# KiCad board demomatrix.kicad_pcb (continued)
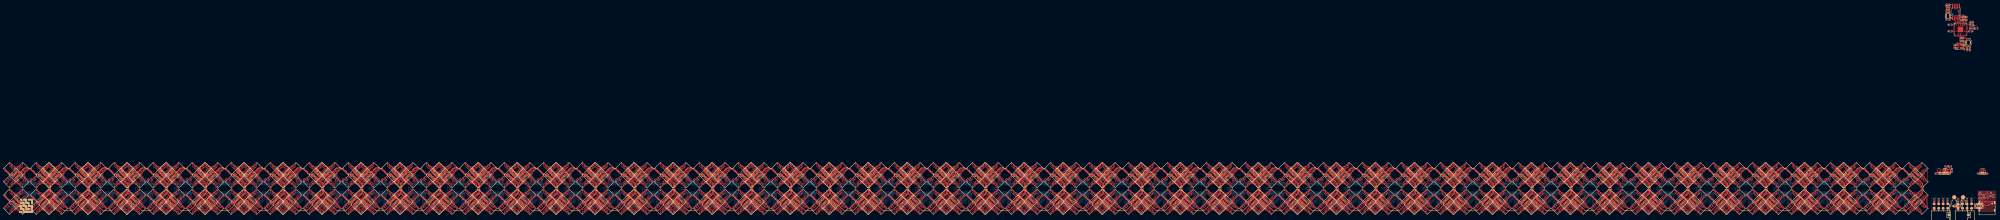
[diagram p0: board, top side]
## Routing (per net, layer and track width the routed paths; a pad name or vN(x,y) marks a point on that pad's centre or on a via; arc(x,y) is an arc through that point) (continued)
rgbs[3]-cathodes-cathode-110: length 7.9
  Top w0.2: v1(-935.98,4) -936.72,4.74 LED256.7
  Bottom w0.2: v1(-935.98,4) -936.8,4.82 U76.13
rgbs[3]-cathodes-cathode-111: length 8.7
  Top w0.2: LED256.5 -936.9,3.25 v1(-936.9,3.1)
  Bottom w0.2: U76.14 -937.43,3.64 v1(-936.9,3.1)
rgbs[3]-cathodes-cathode-112: length 17.9
  Top w0.2: LED260.1 -930.85,15.8 v1(-930.77,15.8)
  Bottom w0.2: v1(-930.77,15.8) -930.65,15.8 ; -930.65,15.8 -930.58,15.87 ; -930.65,15.8 -930.13,16.32 -930.13,16.32 -929.78,16.67 -929.78,16.68 -929.37,17.08 -929.14,17.31 -928.79,17.66 -928.79,17.67 -928.77,17.69 -928.46,17.69 -928.37,17.69 -928.03,17.69 -925.83,19.89 -922.04,19.89 -919.24,17.09 -919.24,16.89 U81.5
rgbs[3]-cathodes-cathode-113: length 9.4
  Top w0.2: v1(-915.72,2.28) -916.41,2.97 LED272.3
  Bottom w0.2: U81.15 -916.07,2.63 v1(-915.72,2.28)
rgbs[3]-cathodes-cathode-114: length 10.7
  Top w0.2: v1(-916.36,1.27) -917.26,2.17 LED272.1
  Bottom w0.2: v1(-916.36,1.27) -916.7,1.61 U81.16
rgbs[3]-cathodes-cathode-115: length 21.3
  Top w0.2: v1(-931.23,1.21) -931.25,1.21 LED268.1
  Bottom w0.2: v1(-931.23,1.21) -929.54,1.21 -927.86,2.89 -921.39,2.89 -917.37,6.91 -917.37,9.65 -917.27,9.75 -917.27,10.46 U81.17
rgbs[3]-cathodes-cathode-116: length 19.3
  Top w0.2: LED268.3 -930.51,2.17 v1(-930.44,2.17)
  Bottom w0.2: v1(-930.44,2.17) -929.15,2.17 -928.02,3.29 -921.56,3.29 -917.97,6.88 U81.18
rgbs[3]-cathodes-cathode-117: length 17.6
  Top w0.2: v1(-929.6,2.94) -929.6,2.96 LED268.5
  Bottom w0.2: v1(-929.6,2.94) -928.94,2.94 -928.19,3.69 -921.72,3.69 -918.61,6.81 U81.19
rgbs[3]-cathodes-cathode-118: length 15.2
  Top w0.2: -929.43,4.48 -928.95,4 v1(-928.89,4)
  Bottom w0.2: v1(-928.89,4) -928.8,4.09 -921.89,4.09 -919.24,6.74 U81.20
rgbs[3]-cathodes-cathode-119: length 17.3
  Top w0.2: LED260.3 -930.38,17.03 v1(-930.38,16.92)
  Bottom w0.2: U81.6 -918.61,17.02 -921.88,20.29 -926,20.29 -928.2,18.09 -928.62,18.09 -928.62,18.09 -928.93,18.09 -929.19,17.83 -929.19,17.83 -929.54,17.48 -929.92,17.09 -930.21,17.09 v1(-930.38,16.92)
rgbs[3]-cathodes-cathode-120: length 16.9
  Top w0.2: v1(-929.79,18.08) -929.79,18.14 LED260.5
  Bottom w0.2: U81.7 -917.97,16.95 -921.71,20.69 -926.16,20.69 -928.37,18.49 -928.79,18.49 -929.1,18.49 -929.65,17.94 v1(-929.79,18.08)
rgbs[3]-cathodes-cathode-121: length 16.1
  Top w0.2: v1(-929.04,19.09) -929.04,19.09 -929.43,19.48
  Bottom w0.2: U81.8 -917.34,16.89 -921.55,21.09 -926.33,21.09 -928.53,18.89 -928.84,18.89 v1(-929.04,19.09)
rgbs[3]-cathodes-cathode-122: length 4.1
  Top w0.2: v1(-917.81,18.21) -917.26,17.66 LED264.1
  Bottom w0.2: v1(-917.81,18.21) -916.7,17.1 U81.9
rgbs[3]-cathodes-cathode-123: length 4.5
  Top w0.2: v1(-917.2,18.72) -917.07,18.72 LED264.3
  Bottom w0.2: v1(-917.2,18.72) -916.07,17.59 U81.10
rgbs[3]-cathodes-cathode-124: length 3.2
  Top w0.2: v1(-915.42,17.52) -915.42,18.78 LED264.5
  Bottom w0.2: v1(-915.42,17.52) -915.43,17.51 U81.11
rgbs[3]-cathodes-cathode-125: length 3.7
  Top w0.2: v1(-914.79,18.01) -914.53,18.27 -914.53,19.33
  Bottom w0.2: v1(-914.79,18.01) -914.8,18 U81.12
rgbs[3]-cathodes-cathode-126: length 7.9
  Top w0.2: LED272.7 -914.72,4.74 v1(-913.98,4)
  Bottom w0.2: v1(-913.98,4) -914.8,4.82 U81.13
rgbs[3]-cathodes-cathode-127: length 8.7
  Top w0.2: v1(-914.9,3.1) -914.9,3.25 LED272.5
  Bottom w0.2: U81.14 -915.43,3.64 v1(-914.9,3.1)
rgbs[3]-cathodes-cathode-128: length 17.9
  Top w0.2: v1(-908.77,15.8) -908.85,15.8 LED276.1
  Bottom w0.2: U86.5 -897.24,16.89 -897.24,17.09 -900.04,19.89 -903.83,19.89 -906.03,17.69 -906.46,17.69 -906.77,17.69 -906.79,17.67 -906.79,17.66 -907.37,17.08 -907.52,16.93 -907.78,16.68 -907.78,16.67 -908.13,16.32 -908.13,16.32 -908.65,15.8 ; -908.58,15.87 -908.65,15.8 ; -908.65,15.8 v1(-908.77,15.8)
rgbs[3]-cathodes-cathode-129: length 9.4
  Top w0.2: v1(-893.72,2.28) -894.41,2.97 LED288.3
  Bottom w0.2: v1(-893.72,2.28) -894.07,2.63 U86.15
rgbs[3]-cathodes-cathode-130: length 10.7
  Top w0.2: v1(-894.36,1.27) -895.26,2.17 LED288.1
  Bottom w0.2: U86.16 -894.7,1.61 v1(-894.36,1.27)
rgbs[3]-cathodes-cathode-131: length 21.3
  Top w0.2: LED284.1 -909.25,1.21 v1(-909.23,1.21)
  Bottom w0.2: v1(-909.23,1.21) -907.54,1.21 -905.86,2.89 -899.39,2.89 -895.37,6.91 -895.37,9.65 -895.27,9.75 -895.27,10.46 U86.17
rgbs[3]-cathodes-cathode-132: length 19.3
  Top w0.2: LED284.3 -908.51,2.17 v1(-908.44,2.17)
  Bottom w0.2: U86.18 -895.97,6.88 -899.56,3.29 -906.02,3.29 -907.15,2.17 v1(-908.44,2.17)
rgbs[3]-cathodes-cathode-133: length 17.6
  Top w0.2: v1(-907.6,2.94) -907.6,2.96 LED284.5
  Bottom w0.2: U86.19 -896.61,6.81 -899.72,3.69 -906.19,3.69 -906.94,2.94 v1(-907.6,2.94)
rgbs[3]-cathodes-cathode-134: length 15.2
  Top w0.2: v1(-906.89,4) -906.95,4 -907.43,4.48
  Bottom w0.2: v1(-906.89,4) -906.8,4.09 -899.89,4.09 -897.24,6.74 U86.20
rgbs[3]-cathodes-cathode-135: length 17.3
  Top w0.2: LED276.3 -908.38,17.03 v1(-908.38,16.92)
  Bottom w0.2: U86.6 -896.61,17.02 -899.88,20.29 -904,20.29 -906.2,18.09 -906.62,18.09 -906.62,18.09 -906.93,18.09 -907.19,17.83 -907.19,17.83 -907.54,17.48 -907.92,17.09 -908.21,17.09 v1(-908.38,16.92)
rgbs[3]-cathodes-cathode-136: length 16.9
  Top w0.2: v1(-907.79,18.08) -907.79,18.14 LED276.5
  Bottom w0.2: U86.7 -895.97,16.95 -899.71,20.69 -904.16,20.69 -906.37,18.49 -906.79,18.49 -907.1,18.49 -907.65,17.94 v1(-907.79,18.08)
rgbs[3]-cathodes-cathode-137: length 16.1
  Top w0.2: v1(-907.04,19.09) -907.04,19.09 -907.43,19.48
  Bottom w0.2: U86.8 -895.34,16.89 -899.55,21.09 -904.33,21.09 -906.53,18.89 -906.84,18.89 v1(-907.04,19.09)
rgbs[3]-cathodes-cathode-138: length 4.1
  Top w0.2: v1(-895.81,18.21) -895.26,17.66 LED280.1
  Bottom w0.2: v1(-895.81,18.21) -894.7,17.1 U86.9
rgbs[3]-cathodes-cathode-139: length 4.5
  Top w0.2: LED280.3 -895.07,18.72 v1(-895.2,18.72)
  Bottom w0.2: U86.10 -894.07,17.59 v1(-895.2,18.72)
rgbs[3]-cathodes-cathode-140: length 3.2
  Top w0.2: LED280.5 -893.42,18.78 v1(-893.42,17.52)
  Bottom w0.2: v1(-893.42,17.52) -893.43,17.51 U86.11
rgbs[3]-cathodes-cathode-141: length 3.7
  Top w0.2: v1(-892.79,18.01) -892.53,18.27 -892.53,19.33
  Bottom w0.2: U86.12 -892.8,18 v1(-892.79,18.01)
rgbs[3]-cathodes-cathode-142: length 7.9
  Top w0.2: LED288.7 -892.72,4.74 v1(-891.98,4)
  Bottom w0.2: v1(-891.98,4) -892.8,4.82 U86.13
rgbs[3]-cathodes-cathode-143: length 8.7
  Top w0.2: v1(-892.9,3.1) -892.9,3.25 LED288.5
  Bottom w0.2: U86.14 -893.43,3.64 v1(-892.9,3.1)
rgbs[3]-cathodes-cathode-144: length 17.9
  Top w0.2: v1(-886.77,15.8) -886.85,15.8 LED292.1
  Bottom w0.2: U91.5 -875.24,16.89 -875.24,17.09 -878.04,19.89 -881.83,19.89 -884.03,17.69 -884.46,17.69 -884.77,17.69 -884.79,17.67 -884.79,17.66 -885.37,17.08 -885.52,16.93 -885.78,16.68 -885.78,16.67 -886.13,16.32 -886.13,16.32 -886.65,15.8 ; -886.58,15.87 -886.65,15.8 ; -886.65,15.8 v1(-886.77,15.8)
rgbs[3]-cathodes-cathode-145: length 9.4
  Top w0.2: LED304.3 -872.41,2.97 v1(-871.72,2.28)
  Bottom w0.2: v1(-871.72,2.28) -872.07,2.63 U91.15
rgbs[3]-cathodes-cathode-146: length 10.7
  Top w0.2: LED304.1 -873.26,2.17 v1(-872.36,1.27)
  Bottom w0.2: U91.16 -872.7,1.61 v1(-872.36,1.27)
rgbs[3]-cathodes-cathode-147: length 21.3
  Top w0.2: v1(-887.23,1.21) -887.25,1.21 LED300.1
  Bottom w0.2: v1(-887.23,1.21) -885.54,1.21 -883.86,2.89 -877.39,2.89 -873.37,6.91 -873.37,9.65 -873.27,9.75 -873.27,10.46 U91.17
rgbs[3]-cathodes-cathode-148: length 19.3
  Top w0.2: v1(-886.44,2.17) -886.51,2.17 LED300.3
  Bottom w0.2: v1(-886.44,2.17) -885.15,2.17 -884.02,3.29 -877.56,3.29 -873.97,6.88 U91.18
rgbs[3]-cathodes-cathode-149: length 17.6
  Top w0.2: LED300.5 -885.6,2.96 v1(-885.6,2.94)
  Bottom w0.2: U91.19 -874.61,6.81 -877.72,3.69 -884.19,3.69 -884.94,2.94 v1(-885.6,2.94)
rgbs[3]-cathodes-cathode-150: length 15.2
  Top w0.2: -885.43,4.48 -884.95,4 v1(-884.89,4)
  Bottom w0.2: v1(-884.89,4) -884.8,4.09 -877.89,4.09 -875.24,6.74 U91.20
rgbs[3]-cathodes-cathode-151: length 17.3
  Top w0.2: LED292.3 -886.38,17.03 v1(-886.38,16.92)
  Bottom w0.2: v1(-886.38,16.92) -886.21,17.09 -885.92,17.09 -885.54,17.48 -885.19,17.83 -885.19,17.83 -884.93,18.09 -884.62,18.09 -884.62,18.09 -884.2,18.09 -882,20.29 -877.88,20.29 -874.61,17.02 U91.6
rgbs[3]-cathodes-cathode-152: length 16.9
  Top w0.2: v1(-885.79,18.08) -885.79,18.14 LED292.5
  Bottom w0.2: U91.7 -873.97,16.95 -877.71,20.69 -882.16,20.69 -884.37,18.49 -884.79,18.49 -885.1,18.49 -885.65,17.94 v1(-885.79,18.08)
rgbs[3]-cathodes-cathode-153: length 16.1
  Top w0.2: -885.43,19.48 -885.04,19.09 v1(-885.04,19.09)
  Bottom w0.2: v1(-885.04,19.09) -884.84,18.89 -884.53,18.89 -882.33,21.09 -877.55,21.09 -873.34,16.89 U91.8
rgbs[3]-cathodes-cathode-154: length 4.1
  Top w0.2: LED296.1 -873.26,17.66 v1(-873.81,18.21)
  Bottom w0.2: v1(-873.81,18.21) -872.7,17.1 U91.9
rgbs[3]-cathodes-cathode-155: length 4.5
  Top w0.2: v1(-873.2,18.72) -873.07,18.72 LED296.3
  Bottom w0.2: v1(-873.2,18.72) -872.07,17.59 U91.10
rgbs[3]-cathodes-cathode-156: length 3.2
  Top w0.2: LED296.5 -871.42,18.78 v1(-871.42,17.52)
  Bottom w0.2: v1(-871.42,17.52) -871.43,17.51 U91.11
rgbs[3]-cathodes-cathode-157: length 3.7
  Top w0.2: v1(-870.79,18.01) -870.53,18.27 -870.53,19.33
  Bottom w0.2: U91.12 -870.8,18 v1(-870.79,18.01)
rgbs[3]-cathodes-cathode-158: length 7.9
  Top w0.2: LED304.7 -870.72,4.74 v1(-869.98,4)
  Bottom w0.2: v1(-869.98,4) -870.8,4.82 U91.13
rgbs[3]-cathodes-cathode-159: length 8.7
  Top w0.2: v1(-870.9,3.1) -870.9,3.25 LED304.5
  Bottom w0.2: v1(-870.9,3.1) -871.43,3.64 U91.14
rgbs[3]-cathodes-cathode-160: length 17.9
  Top w0.2: v1(-864.77,15.8) -864.85,15.8 LED308.1
  Bottom w0.2: v1(-864.77,15.8) -864.65,15.8 ; -864.65,15.8 -864.58,15.87 ; -864.65,15.8 -864.13,16.32 -864.13,16.32 -863.78,16.67 -863.78,16.68 -863.37,17.08 -863.14,17.31 -862.79,17.66 -862.79,17.67 -862.77,17.69 -862.46,17.69 -862.37,17.69 -862.03,17.69 -859.83,19.89 -856.04,19.89 -853.24,17.09 -853.24,16.89 U96.5
rgbs[3]-cathodes-cathode-161: length 9.4
  Top w0.2: v1(-849.72,2.28) -850.41,2.97 LED320.3
  Bottom w0.2: U96.15 -850.07,2.63 v1(-849.72,2.28)
rgbs[3]-cathodes-cathode-162: length 10.7
  Top w0.2: LED320.1 -851.26,2.17 v1(-850.36,1.27)
  Bottom w0.2: v1(-850.36,1.27) -850.7,1.61 U96.16
rgbs[3]-cathodes-cathode-163: length 21.3
  Top w0.2: LED316.1 -865.25,1.21 v1(-865.23,1.21)
  Bottom w0.2: U96.17 -851.27,10.46 -851.27,9.75 -851.37,9.65 -851.37,6.91 -855.39,2.89 -861.86,2.89 -863.54,1.21 v1(-865.23,1.21)
rgbs[3]-cathodes-cathode-164: length 19.3
  Top w0.2: LED316.3 -864.51,2.17 v1(-864.44,2.17)
  Bottom w0.2: v1(-864.44,2.17) -863.15,2.17 -862.02,3.29 -855.56,3.29 -851.97,6.88 U96.18
rgbs[3]-cathodes-cathode-165: length 17.6
  Top w0.2: v1(-863.6,2.94) -863.6,2.96 LED316.5
  Bottom w0.2: U96.19 -852.61,6.81 -855.72,3.69 -862.19,3.69 -862.94,2.94 v1(-863.6,2.94)
rgbs[3]-cathodes-cathode-166: length 15.2
  Top w0.2: -863.43,4.48 -862.95,4 v1(-862.89,4)
  Bottom w0.2: v1(-862.89,4) -862.8,4.09 -855.89,4.09 -853.24,6.74 U96.20
rgbs[3]-cathodes-cathode-167: length 17.3
  Top w0.2: LED308.3 -864.38,17.03 v1(-864.38,16.92)
  Bottom w0.2: v1(-864.38,16.92) -864.21,17.09 -863.92,17.09 -863.54,17.48 -863.19,17.83 -863.19,17.83 -862.93,18.09 -862.62,18.09 -862.62,18.09 -862.2,18.09 -860,20.29 -855.88,20.29 -852.61,17.02 U96.6
rgbs[3]-cathodes-cathode-168: length 16.9
  Top w0.2: LED308.5 -863.79,18.14 v1(-863.79,18.08)
  Bottom w0.2: v1(-863.79,18.08) -863.65,17.94 -863.1,18.49 -862.79,18.49 -862.7,18.49 -862.37,18.49 -860.16,20.69 -855.71,20.69 -851.97,16.95 U96.7
rgbs[3]-cathodes-cathode-169: length 16.1
  Top w0.2: v1(-863.04,19.09) -863.04,19.09 -863.43,19.48
  Bottom w0.2: v1(-863.04,19.09) -862.84,18.89 -862.53,18.89 -860.33,21.09 -855.55,21.09 -851.34,16.89 U96.8
rgbs[3]-cathodes-cathode-170: length 4.1
  Top w0.2: LED312.1 -851.26,17.66 v1(-851.81,18.21)
  Bottom w0.2: v1(-851.81,18.21) -850.7,17.1 U96.9
rgbs[3]-cathodes-cathode-171: length 4.5
  Top w0.2: v1(-851.2,18.72) -851.07,18.72 LED312.3
  Bottom w0.2: U96.10 -850.07,17.59 v1(-851.2,18.72)
rgbs[3]-cathodes-cathode-172: length 3.2
  Top w0.2: v1(-849.42,17.52) -849.42,18.78 LED312.5
  Bottom w0.2: U96.11 -849.43,17.51 v1(-849.42,17.52)
rgbs[3]-cathodes-cathode-173: length 3.7
  Top w0.2: v1(-848.79,18.01) -848.53,18.27 -848.53,19.33
  Bottom w0.2: U96.12 -848.8,18 v1(-848.79,18.01)
rgbs[3]-cathodes-cathode-174: length 7.9
  Top w0.2: v1(-847.98,4) -848.72,4.74 LED320.7
  Bottom w0.2: U96.13 -848.8,4.82 v1(-847.98,4)
rgbs[3]-cathodes-cathode-175: length 8.7
  Top w0.2: LED320.5 -848.9,3.25 v1(-848.9,3.1)
  Bottom w0.2: U96.14 -849.43,3.64 v1(-848.9,3.1)
rgbs[3]-cathodes-cathode-176: length 17.9
  Top w0.2: v1(-842.77,15.8) -842.85,15.8 LED20.1
  Bottom w0.2: -842.58,15.87 -842.65,15.8 ; -842.65,15.8 v1(-842.77,15.8) ; -842.65,15.8 -842.13,16.32 -842.13,16.32 -841.78,16.67 -841.78,16.68 -841.37,17.08 -841.14,17.31 -840.79,17.66 -840.79,17.67 -840.77,17.69 -840.46,17.69 -840.37,17.69 -840.03,17.69 -837.83,19.89 -834.04,19.89 -831.24,17.09 -831.24,16.89 U6.5
rgbs[3]-cathodes-cathode-177: length 9.4
  Top w0.2: LED32.3 -828.41,2.97 v1(-827.72,2.28)
  Bottom w0.2: U6.15 -828.07,2.63 v1(-827.72,2.28)
rgbs[3]-cathodes-cathode-178: length 10.7
  Top w0.2: LED32.1 -829.26,2.17 v1(-828.36,1.27)
  Bottom w0.2: U6.16 -828.7,1.61 v1(-828.36,1.27)
rgbs[3]-cathodes-cathode-179: length 21.3
  Top w0.2: LED28.1 -843.25,1.21 v1(-843.23,1.21)
  Bottom w0.2: v1(-843.23,1.21) -841.54,1.21 -839.86,2.89 -833.39,2.89 -829.37,6.91 -829.37,9.65 -829.27,9.75 -829.27,10.46 U6.17
rgbs[3]-cathodes-cathode-180: length 19.3
  Top w0.2: v1(-842.44,2.17) -842.51,2.17 LED28.3
  Bottom w0.2: U6.18 -829.97,6.88 -833.56,3.29 -840.02,3.29 -841.15,2.17 v1(-842.44,2.17)
rgbs[3]-cathodes-cathode-181: length 17.6
  Top w0.2: LED28.5 -841.6,2.96 v1(-841.6,2.94)
  Bottom w0.2: v1(-841.6,2.94) -840.94,2.94 -840.19,3.69 -833.72,3.69 -830.61,6.81 U6.19
rgbs[3]-cathodes-cathode-182: length 15.2
  Top w0.2: -841.43,4.48 -840.95,4 v1(-840.89,4)
  Bottom w0.2: v1(-840.89,4) -840.8,4.09 -833.89,4.09 -831.24,6.74 U6.20
rgbs[3]-cathodes-cathode-183: length 17.3
  Top w0.2: LED20.3 -842.38,17.03 v1(-842.38,16.92)
  Bottom w0.2: U6.6 -830.61,17.02 -833.88,20.29 -838,20.29 -840.2,18.09 -840.62,18.09 -840.62,18.09 -840.93,18.09 -841.19,17.83 -841.19,17.83 -841.54,17.48 -841.92,17.09 -842.21,17.09 v1(-842.38,16.92)
rgbs[3]-cathodes-cathode-184: length 16.9
  Top w0.2: v1(-841.79,18.08) -841.79,18.14 LED20.5
  Bottom w0.2: v1(-841.79,18.08) -841.65,17.94 -841.1,18.49 -840.79,18.49 -840.7,18.49 -840.37,18.49 -838.16,20.69 -833.71,20.69 -829.97,16.95 U6.7
rgbs[3]-cathodes-cathode-185: length 16.1
  Top w0.2: v1(-841.04,19.09) -841.04,19.09 -841.43,19.48
  Bottom w0.2: U6.8 -829.34,16.89 -833.55,21.09 -838.33,21.09 -840.53,18.89 -840.84,18.89 v1(-841.04,19.09)
rgbs[3]-cathodes-cathode-186: length 4.1
  Top w0.2: LED24.1 -829.26,17.66 v1(-829.81,18.21)
  Bottom w0.2: v1(-829.81,18.21) -828.7,17.1 U6.9
rgbs[3]-cathodes-cathode-187: length 4.5
  Top w0.2: LED24.3 -829.07,18.72 v1(-829.2,18.72)
  Bottom w0.2: v1(-829.2,18.72) -828.07,17.59 U6.10
rgbs[3]-cathodes-cathode-188: length 3.2
  Top w0.2: v1(-827.42,17.52) -827.42,18.78 LED24.5
  Bottom w0.2: v1(-827.42,17.52) -827.43,17.51 U6.11
rgbs[3]-cathodes-cathode-189: length 3.7
  Top w0.2: -826.53,19.33 -826.53,18.27 v1(-826.79,18.01)
  Bottom w0.2: U6.12 -826.8,18 v1(-826.79,18.01)
rgbs[3]-cathodes-cathode-190: length 7.9
  Top w0.2: v1(-825.98,4) -826.72,4.74 LED32.7
  Bottom w0.2: U6.13 -826.8,4.82 v1(-825.98,4)
rgbs[3]-cathodes-cathode-191: length 8.7
  Top w0.2: v1(-826.9,3.1) -826.9,3.25 LED32.5
  Bottom w0.2: v1(-826.9,3.1) -827.43,3.64 U6.14
rgbs[3]-cathodes-cathode-192: length 17.9
  Top w0.2: v1(-820.77,15.8) -820.85,15.8 LED324.1
  Bottom w0.2: U101.5 -809.24,16.89 -809.24,17.09 -812.04,19.89 -815.83,19.89 -818.03,17.69 -818.46,17.69 -818.77,17.69 -818.79,17.67 -818.79,17.66 -819.37,17.08 -819.52,16.93 -819.78,16.68 -819.78,16.67 -820.13,16.32 -820.13,16.32 -820.65,15.8 ; -820.58,15.87 -820.65,15.8 ; -820.65,15.8 v1(-820.77,15.8)
rgbs[3]-cathodes-cathode-193: length 9.4
  Top w0.2: LED336.3 -806.41,2.97 v1(-805.72,2.28)
  Bottom w0.2: U101.15 -806.07,2.63 v1(-805.72,2.28)
rgbs[3]-cathodes-cathode-194: length 10.7
  Top w0.2: LED336.1 -807.26,2.17 v1(-806.36,1.27)
  Bottom w0.2: U101.16 -806.7,1.61 v1(-806.36,1.27)
rgbs[3]-cathodes-cathode-195: length 21.3
  Top w0.2: LED332.1 -821.25,1.21 v1(-821.23,1.21)
  Bottom w0.2: v1(-821.23,1.21) -819.54,1.21 -817.86,2.89 -811.39,2.89 -807.37,6.91 -807.37,9.65 -807.27,9.75 -807.27,10.46 U101.17
rgbs[3]-cathodes-cathode-196: length 19.3
  Top w0.2: v1(-820.44,2.17) -820.51,2.17 LED332.3
  Bottom w0.2: v1(-820.44,2.17) -819.15,2.17 -818.02,3.29 -811.56,3.29 -807.97,6.88 U101.18
rgbs[3]-cathodes-cathode-197: length 17.6
  Top w0.2: v1(-819.6,2.94) -819.6,2.96 LED332.5
  Bottom w0.2: U101.19 -808.61,6.81 -811.72,3.69 -818.19,3.69 -818.94,2.94 v1(-819.6,2.94)
rgbs[3]-cathodes-cathode-198: length 15.2
  Top w0.2: v1(-818.89,4) -818.95,4 -819.43,4.48
  Bottom w0.2: U101.20 -809.24,6.74 -811.89,4.09 -818.8,4.09 v1(-818.89,4)
rgbs[3]-cathodes-cathode-199: length 17.3
  Top w0.2: v1(-820.38,16.92) -820.38,17.03 LED324.3
  Bottom w0.2: v1(-820.38,16.92) -820.21,17.09 -819.92,17.09 -819.54,17.48 -819.19,17.83 -819.19,17.83 -818.93,18.09 -818.62,18.09 -818.62,18.09 -818.2,18.09 -816,20.29 -811.88,20.29 -808.61,17.02 U101.6
rgbs[3]-cathodes-cathode-200: length 16.9
  Top w0.2: LED324.5 -819.79,18.14 v1(-819.79,18.08)
  Bottom w0.2: U101.7 -807.97,16.95 -811.71,20.69 -816.16,20.69 -818.37,18.49 -818.79,18.49 -819.1,18.49 -819.65,17.94 v1(-819.79,18.08)
rgbs[3]-cathodes-cathode-201: length 16.1
  Top w0.2: -819.43,19.48 -819.04,19.09 v1(-819.04,19.09)
  Bottom w0.2: v1(-819.04,19.09) -818.84,18.89 -818.53,18.89 -816.33,21.09 -811.55,21.09 -807.34,16.89 U101.8
rgbs[3]-cathodes-cathode-202: length 4.1
  Top w0.2: LED328.1 -807.26,17.66 v1(-807.81,18.21)
  Bottom w0.2: U101.9 -806.7,17.1 v1(-807.81,18.21)
rgbs[3]-cathodes-cathode-203: length 4.5
  Top w0.2: v1(-807.2,18.72) -807.07,18.72 LED328.3
  Bottom w0.2: U101.10 -806.07,17.59 v1(-807.2,18.72)
rgbs[3]-cathodes-cathode-204: length 3.2
  Top w0.2: LED328.5 -805.42,18.78 v1(-805.42,17.52)
  Bottom w0.2: U101.11 -805.43,17.51 v1(-805.42,17.52)
rgbs[3]-cathodes-cathode-205: length 3.7
  Top w0.2: -804.53,19.33 -804.53,18.27 v1(-804.79,18.01)
  Bottom w0.2: v1(-804.79,18.01) -804.8,18 U101.12
rgbs[3]-cathodes-cathode-206: length 7.9
  Top w0.2: v1(-803.98,4) -804.72,4.74 LED336.7
  Bottom w0.2: U101.13 -804.8,4.82 v1(-803.98,4)
rgbs[3]-cathodes-cathode-207: length 8.7
  Top w0.2: LED336.5 -804.9,3.25 v1(-804.9,3.1)
  Bottom w0.2: U101.14 -805.43,3.64 v1(-804.9,3.1)
rgbs[3]-cathodes-cathode-208: length 17.9
  Top w0.2: LED340.1 -798.85,15.8 v1(-798.77,15.8)
  Bottom w0.2: -798.58,15.87 -798.65,15.8 ; -798.65,15.8 -798.13,16.32 -798.13,16.32 -797.78,16.67 -797.78,16.68 -797.37,17.08 -797.14,17.31 -796.79,17.66 -796.79,17.67 -796.77,17.69 -796.46,17.69 -796.37,17.69 -796.03,17.69 -793.83,19.89 -790.04,19.89 -787.24,17.09 -787.24,16.89 U106.5 ; -798.65,15.8 v1(-798.77,15.8)
rgbs[3]-cathodes-cathode-209: length 9.4
  Top w0.2: v1(-783.72,2.28) -784.41,2.97 LED352.3
  Bottom w0.2: U106.15 -784.07,2.63 v1(-783.72,2.28)
rgbs[3]-cathodes-cathode-210: length 10.7
  Top w0.2: v1(-784.36,1.27) -785.26,2.17 LED352.1
  Bottom w0.2: U106.16 -784.7,1.61 v1(-784.36,1.27)
rgbs[3]-cathodes-cathode-211: length 21.3
  Top w0.2: v1(-799.23,1.21) -799.25,1.21 LED348.1
  Bottom w0.2: U106.17 -785.27,10.46 -785.27,9.75 -785.37,9.65 -785.37,6.91 -789.39,2.89 -795.86,2.89 -797.54,1.21 v1(-799.23,1.21)
rgbs[3]-cathodes-cathode-212: length 19.3
  Top w0.2: v1(-798.44,2.17) -798.51,2.17 LED348.3
  Bottom w0.2: v1(-798.44,2.17) -797.15,2.17 -796.02,3.29 -789.56,3.29 -785.97,6.88 U106.18
rgbs[3]-cathodes-cathode-213: length 17.6
  Top w0.2: LED348.5 -797.6,2.96 v1(-797.6,2.94)
  Bottom w0.2: v1(-797.6,2.94) -796.94,2.94 -796.19,3.69 -789.72,3.69 -786.61,6.81 U106.19
rgbs[3]-cathodes-cathode-214: length 15.2
  Top w0.2: v1(-796.89,4) -796.95,4 -797.43,4.48
  Bottom w0.2: U106.20 -787.24,6.74 -789.89,4.09 -796.8,4.09 v1(-796.89,4)
rgbs[3]-cathodes-cathode-215: length 17.3
  Top w0.2: LED340.3 -798.38,17.03 v1(-798.38,16.92)
  Bottom w0.2: U106.6 -786.61,17.02 -789.88,20.29 -794,20.29 -796.2,18.09 -796.62,18.09 -796.62,18.09 -796.93,18.09 -797.19,17.83 -797.19,17.83 -797.54,17.48 -797.92,17.09 -798.21,17.09 v1(-798.38,16.92)
rgbs[3]-cathodes-cathode-216: length 16.9
  Top w0.2: LED340.5 -797.79,18.14 v1(-797.79,18.08)
  Bottom w0.2: U106.7 -785.97,16.95 -789.71,20.69 -794.16,20.69 -796.37,18.49 -796.79,18.49 -797.1,18.49 -797.65,17.94 v1(-797.79,18.08)
rgbs[3]-cathodes-cathode-217: length 16.1
  Top w0.2: -797.43,19.48 -797.04,19.09 v1(-797.04,19.09)
  Bottom w0.2: v1(-797.04,19.09) -796.84,18.89 -796.53,18.89 -794.33,21.09 -789.55,21.09 -785.34,16.89 U106.8
rgbs[3]-cathodes-cathode-218: length 4.1
  Top w0.2: LED344.1 -785.26,17.66 v1(-785.81,18.21)
  Bottom w0.2: v1(-785.81,18.21) -784.7,17.1 U106.9
rgbs[3]-cathodes-cathode-219: length 4.5
  Top w0.2: LED344.3 -785.07,18.72 v1(-785.2,18.72)
  Bottom w0.2: v1(-785.2,18.72) -784.07,17.59 U106.10
rgbs[3]-cathodes-cathode-220: length 3.2
  Top w0.2: LED344.5 -783.42,18.78 v1(-783.42,17.52)
  Bottom w0.2: v1(-783.42,17.52) -783.43,17.51 U106.11
rgbs[3]-cathodes-cathode-221: length 3.7
  Top w0.2: -782.53,19.33 -782.53,18.27 v1(-782.79,18.01)
  Bottom w0.2: U106.12 -782.8,18 v1(-782.79,18.01)
rgbs[3]-cathodes-cathode-222: length 7.9
  Top w0.2: v1(-781.98,4) -782.72,4.74 LED352.7
  Bottom w0.2: v1(-781.98,4) -782.8,4.82 U106.13
rgbs[3]-cathodes-cathode-223: length 8.7
  Top w0.2: v1(-782.9,3.1) -782.9,3.25 LED352.5
  Bottom w0.2: v1(-782.9,3.1) -783.43,3.64 U106.14
rgbs[3]-cathodes-cathode-224: length 17.9
  Top w0.2: v1(-776.77,15.8) -776.85,15.8 LED356.1
  Bottom w0.2: -776.65,15.8 -776.13,16.32 -776.13,16.32 -775.78,16.67 -775.78,16.68 -775.37,17.08 -775.14,17.31 -774.79,17.66 -774.79,17.67 -774.77,17.69 -774.46,17.69 -774.37,17.69 -774.03,17.69 -771.83,19.89 -768.04,19.89 -765.24,17.09 -765.24,16.89 U111.5 ; -776.65,15.8 v1(-776.77,15.8) ; -776.65,15.8 -776.58,15.87
rgbs[3]-cathodes-cathode-225: length 9.4
  Top w0.2: LED368.3 -762.41,2.97 v1(-761.72,2.28)
  Bottom w0.2: v1(-761.72,2.28) -762.07,2.63 U111.15
rgbs[3]-cathodes-cathode-226: length 10.7
  Top w0.2: LED368.1 -763.26,2.17 v1(-762.36,1.27)
  Bottom w0.2: v1(-762.36,1.27) -762.7,1.61 U111.16
rgbs[3]-cathodes-cathode-227: length 21.3
  Top w0.2: v1(-777.23,1.21) -777.25,1.21 LED364.1
  Bottom w0.2: U111.17 -763.27,10.46 -763.27,9.75 -763.37,9.65 -763.37,6.91 -767.39,2.89 -773.86,2.89 -775.54,1.21 v1(-777.23,1.21)
rgbs[3]-cathodes-cathode-228: length 19.3
  Top w0.2: LED364.3 -776.51,2.17 v1(-776.44,2.17)
  Bottom w0.2: v1(-776.44,2.17) -775.15,2.17 -774.02,3.29 -767.56,3.29 -763.97,6.88 U111.18
rgbs[3]-cathodes-cathode-229: length 17.6
  Top w0.2: LED364.5 -775.6,2.96 v1(-775.6,2.94)
  Bottom w0.2: v1(-775.6,2.94) -774.94,2.94 -774.19,3.69 -767.72,3.69 -764.61,6.81 U111.19
rgbs[3]-cathodes-cathode-230: length 15.2
  Top w0.2: v1(-774.89,4) -774.95,4 -775.43,4.48
  Bottom w0.2: v1(-774.89,4) -774.8,4.09 -767.89,4.09 -765.24,6.74 U111.20
rgbs[3]-cathodes-cathode-231: length 17.3
  Top w0.2: LED356.3 -776.38,17.03 v1(-776.38,16.92)
  Bottom w0.2: v1(-776.38,16.92) -776.21,17.09 -775.92,17.09 -775.54,17.48 -775.19,17.83 -775.19,17.83 -774.93,18.09 -774.62,18.09 -774.62,18.09 -774.2,18.09 -772,20.29 -767.88,20.29 -764.61,17.02 U111.6
rgbs[3]-cathodes-cathode-232: length 16.9
  Top w0.2: LED356.5 -775.79,18.14 v1(-775.79,18.08)
  Bottom w0.2: v1(-775.79,18.08) -775.65,17.94 -775.1,18.49 -774.79,18.49 -774.7,18.49 -774.37,18.49 -772.16,20.69 -767.71,20.69 -763.97,16.95 U111.7
rgbs[3]-cathodes-cathode-233: length 16.1
  Top w0.2: v1(-775.04,19.09) -775.04,19.09 -775.43,19.48
  Bottom w0.2: U111.8 -763.34,16.89 -767.55,21.09 -772.33,21.09 -774.53,18.89 -774.84,18.89 v1(-775.04,19.09)
rgbs[3]-cathodes-cathode-234: length 4.1
  Top w0.2: LED360.1 -763.26,17.66 v1(-763.81,18.21)
  Bottom w0.2: U111.9 -762.7,17.1 v1(-763.81,18.21)
rgbs[3]-cathodes-cathode-235: length 4.5
  Top w0.2: LED360.3 -763.07,18.72 v1(-763.2,18.72)
  Bottom w0.2: v1(-763.2,18.72) -762.07,17.59 U111.10
rgbs[3]-cathodes-cathode-236: length 3.2
  Top w0.2: LED360.5 -761.42,18.78 v1(-761.42,17.52)
  Bottom w0.2: v1(-761.42,17.52) -761.43,17.51 U111.11
rgbs[3]-cathodes-cathode-237: length 3.7
  Top w0.2: -760.53,19.33 -760.53,18.27 v1(-760.79,18.01)
  Bottom w0.2: U111.12 -760.8,18 v1(-760.79,18.01)
rgbs[3]-cathodes-cathode-238: length 7.9
  Top w0.2: LED368.7 -760.72,4.74 v1(-759.98,4)
  Bottom w0.2: v1(-759.98,4) -760.8,4.82 U111.13
rgbs[3]-cathodes-cathode-239: length 8.7
  Top w0.2: LED368.5 -760.9,3.25 v1(-760.9,3.1)
  Bottom w0.2: U111.14 -761.43,3.64 v1(-760.9,3.1)
rgbs[3]-cathodes-cathode-240: length 17.9
  Top w0.2: v1(-754.77,15.8) -754.85,15.8 LED372.1